# Altium PCB PCB_SAMARUC_7.PcbDoc (part 1 of 3)
Units mil, origin at the board's own origin, x right, y up, seen from the top; angles counter-clockwise.
Board outline 3000 x 2475 mil, 6 copper layers (Top (S1), GND1, PWR, S2, GND2, Bottom (S3)), stack 62.312 mil thick; 203 components, 120 nets, 721 pads, 351 vias.
Unrouted connection lines stored in the file: 139.
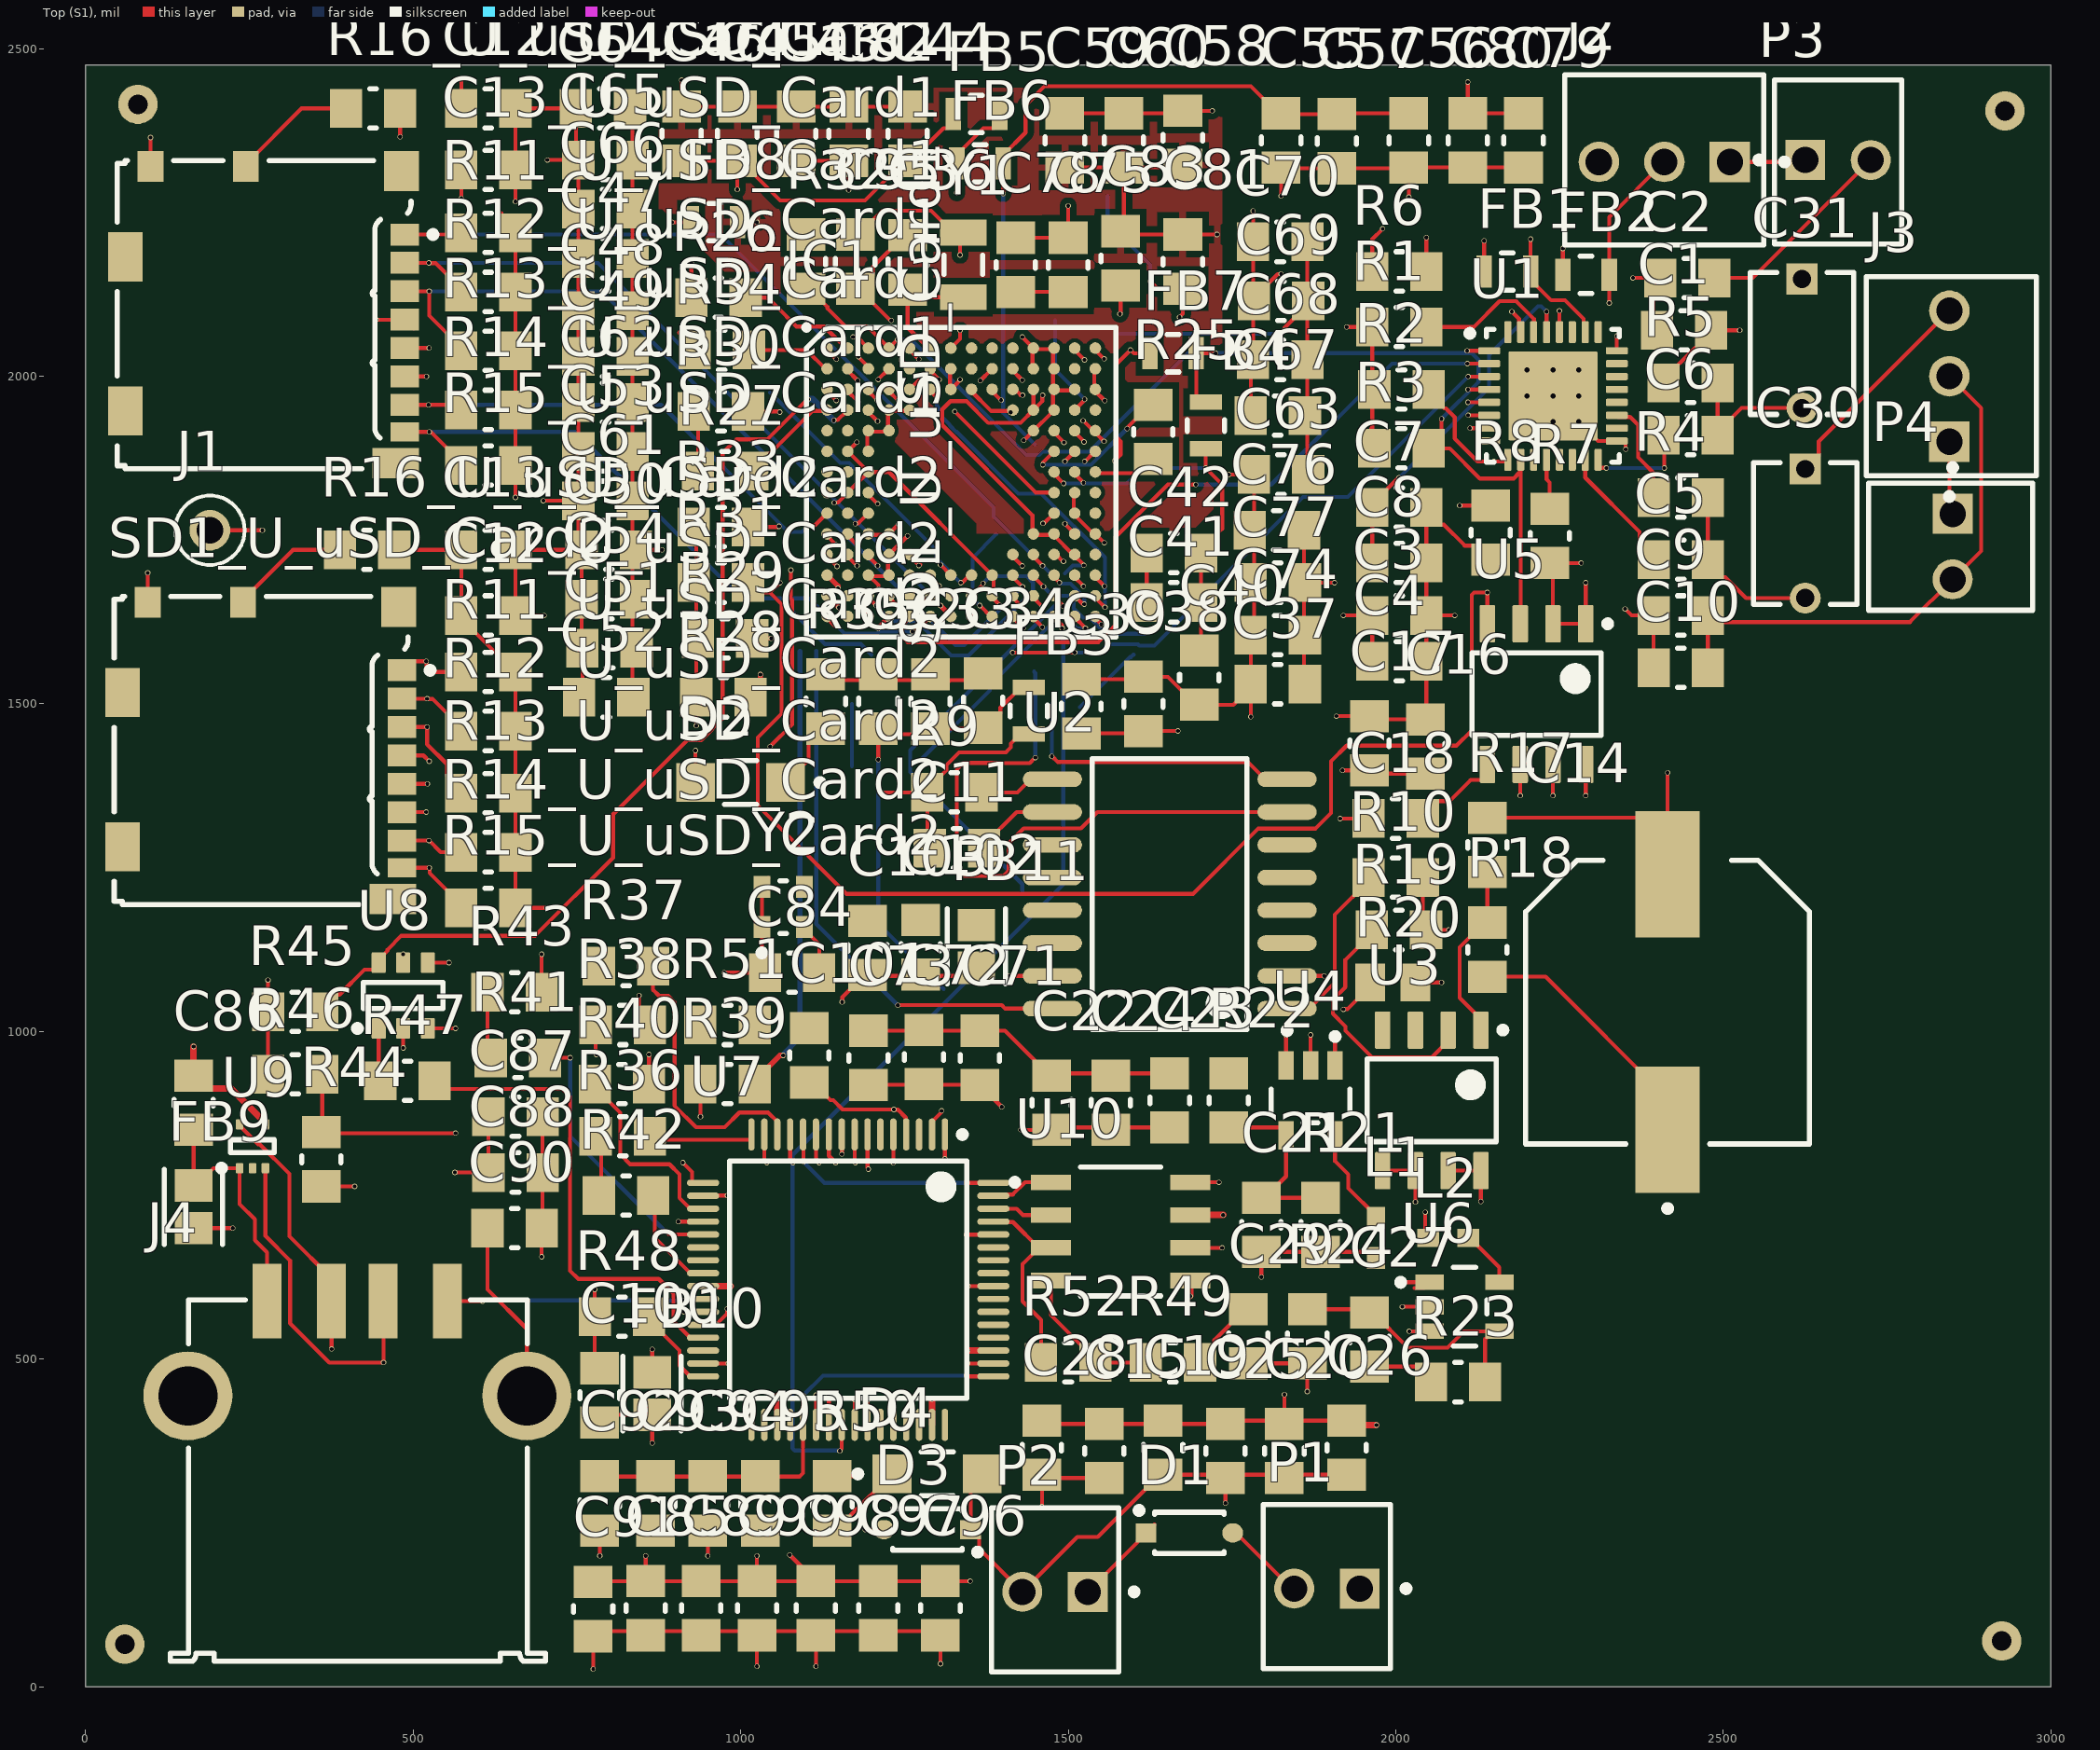
[diagram p0: Top (S1) view]
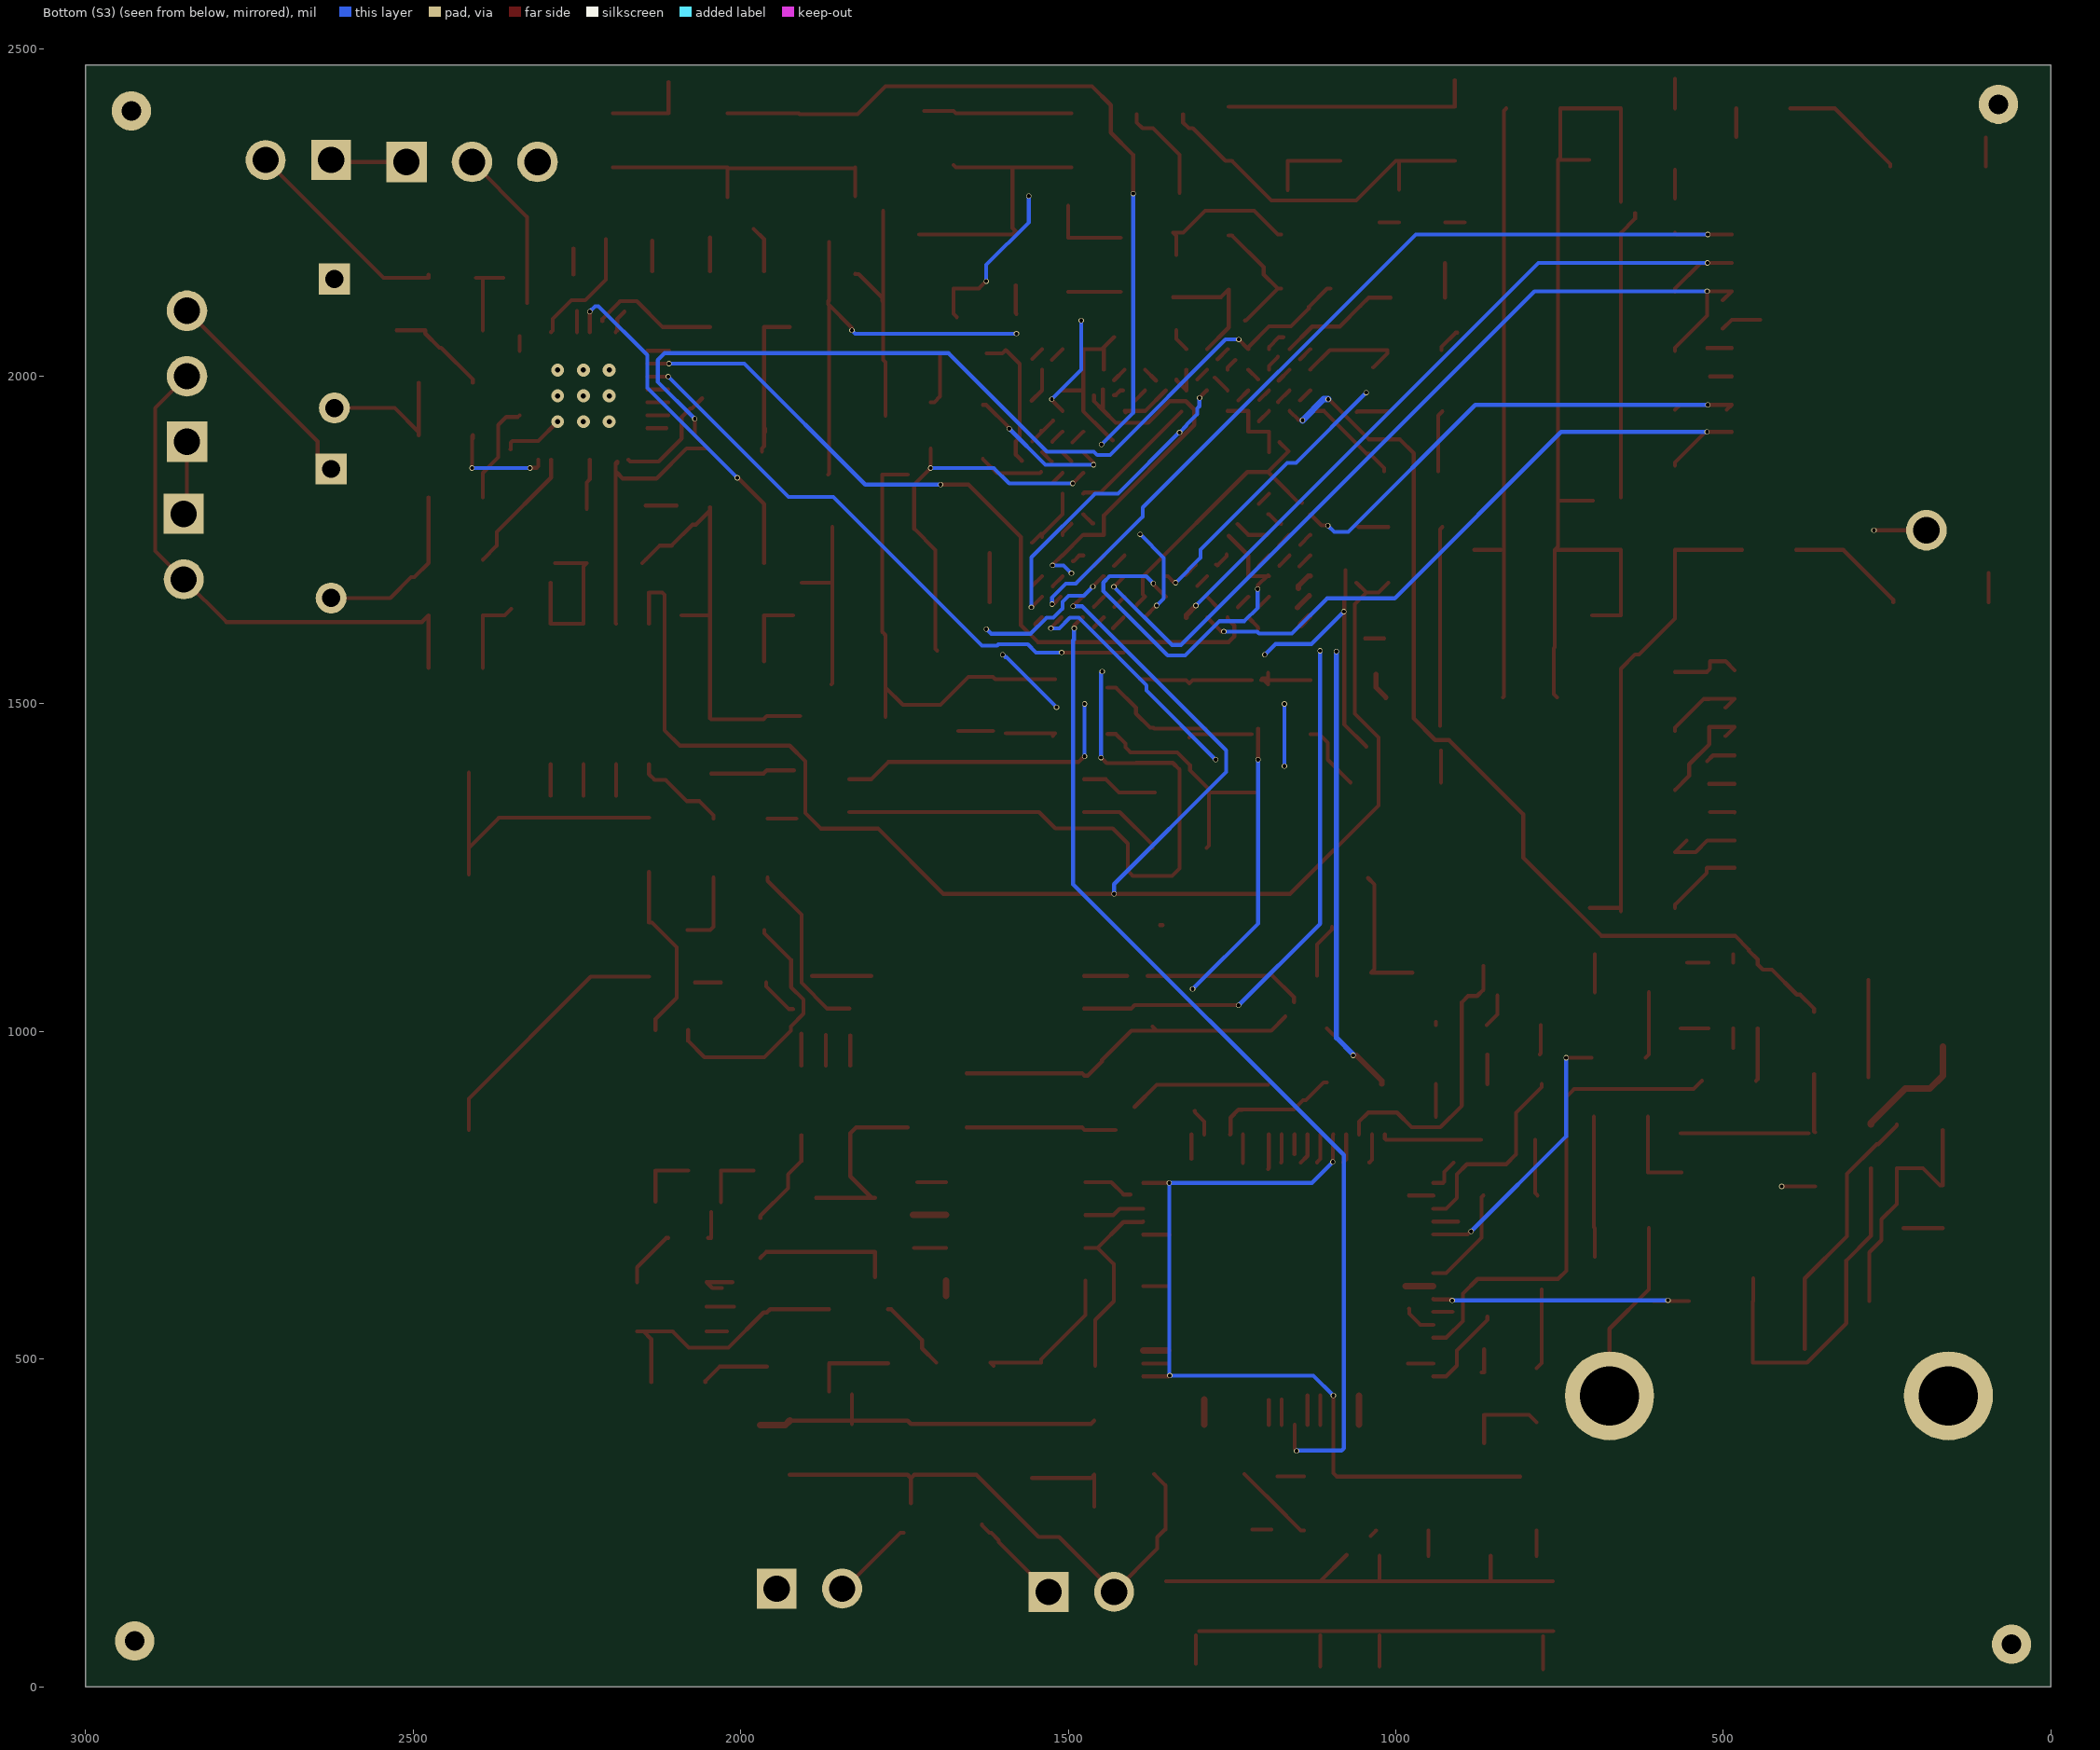
[diagram p1: Bottom (S3) view, seen from below]
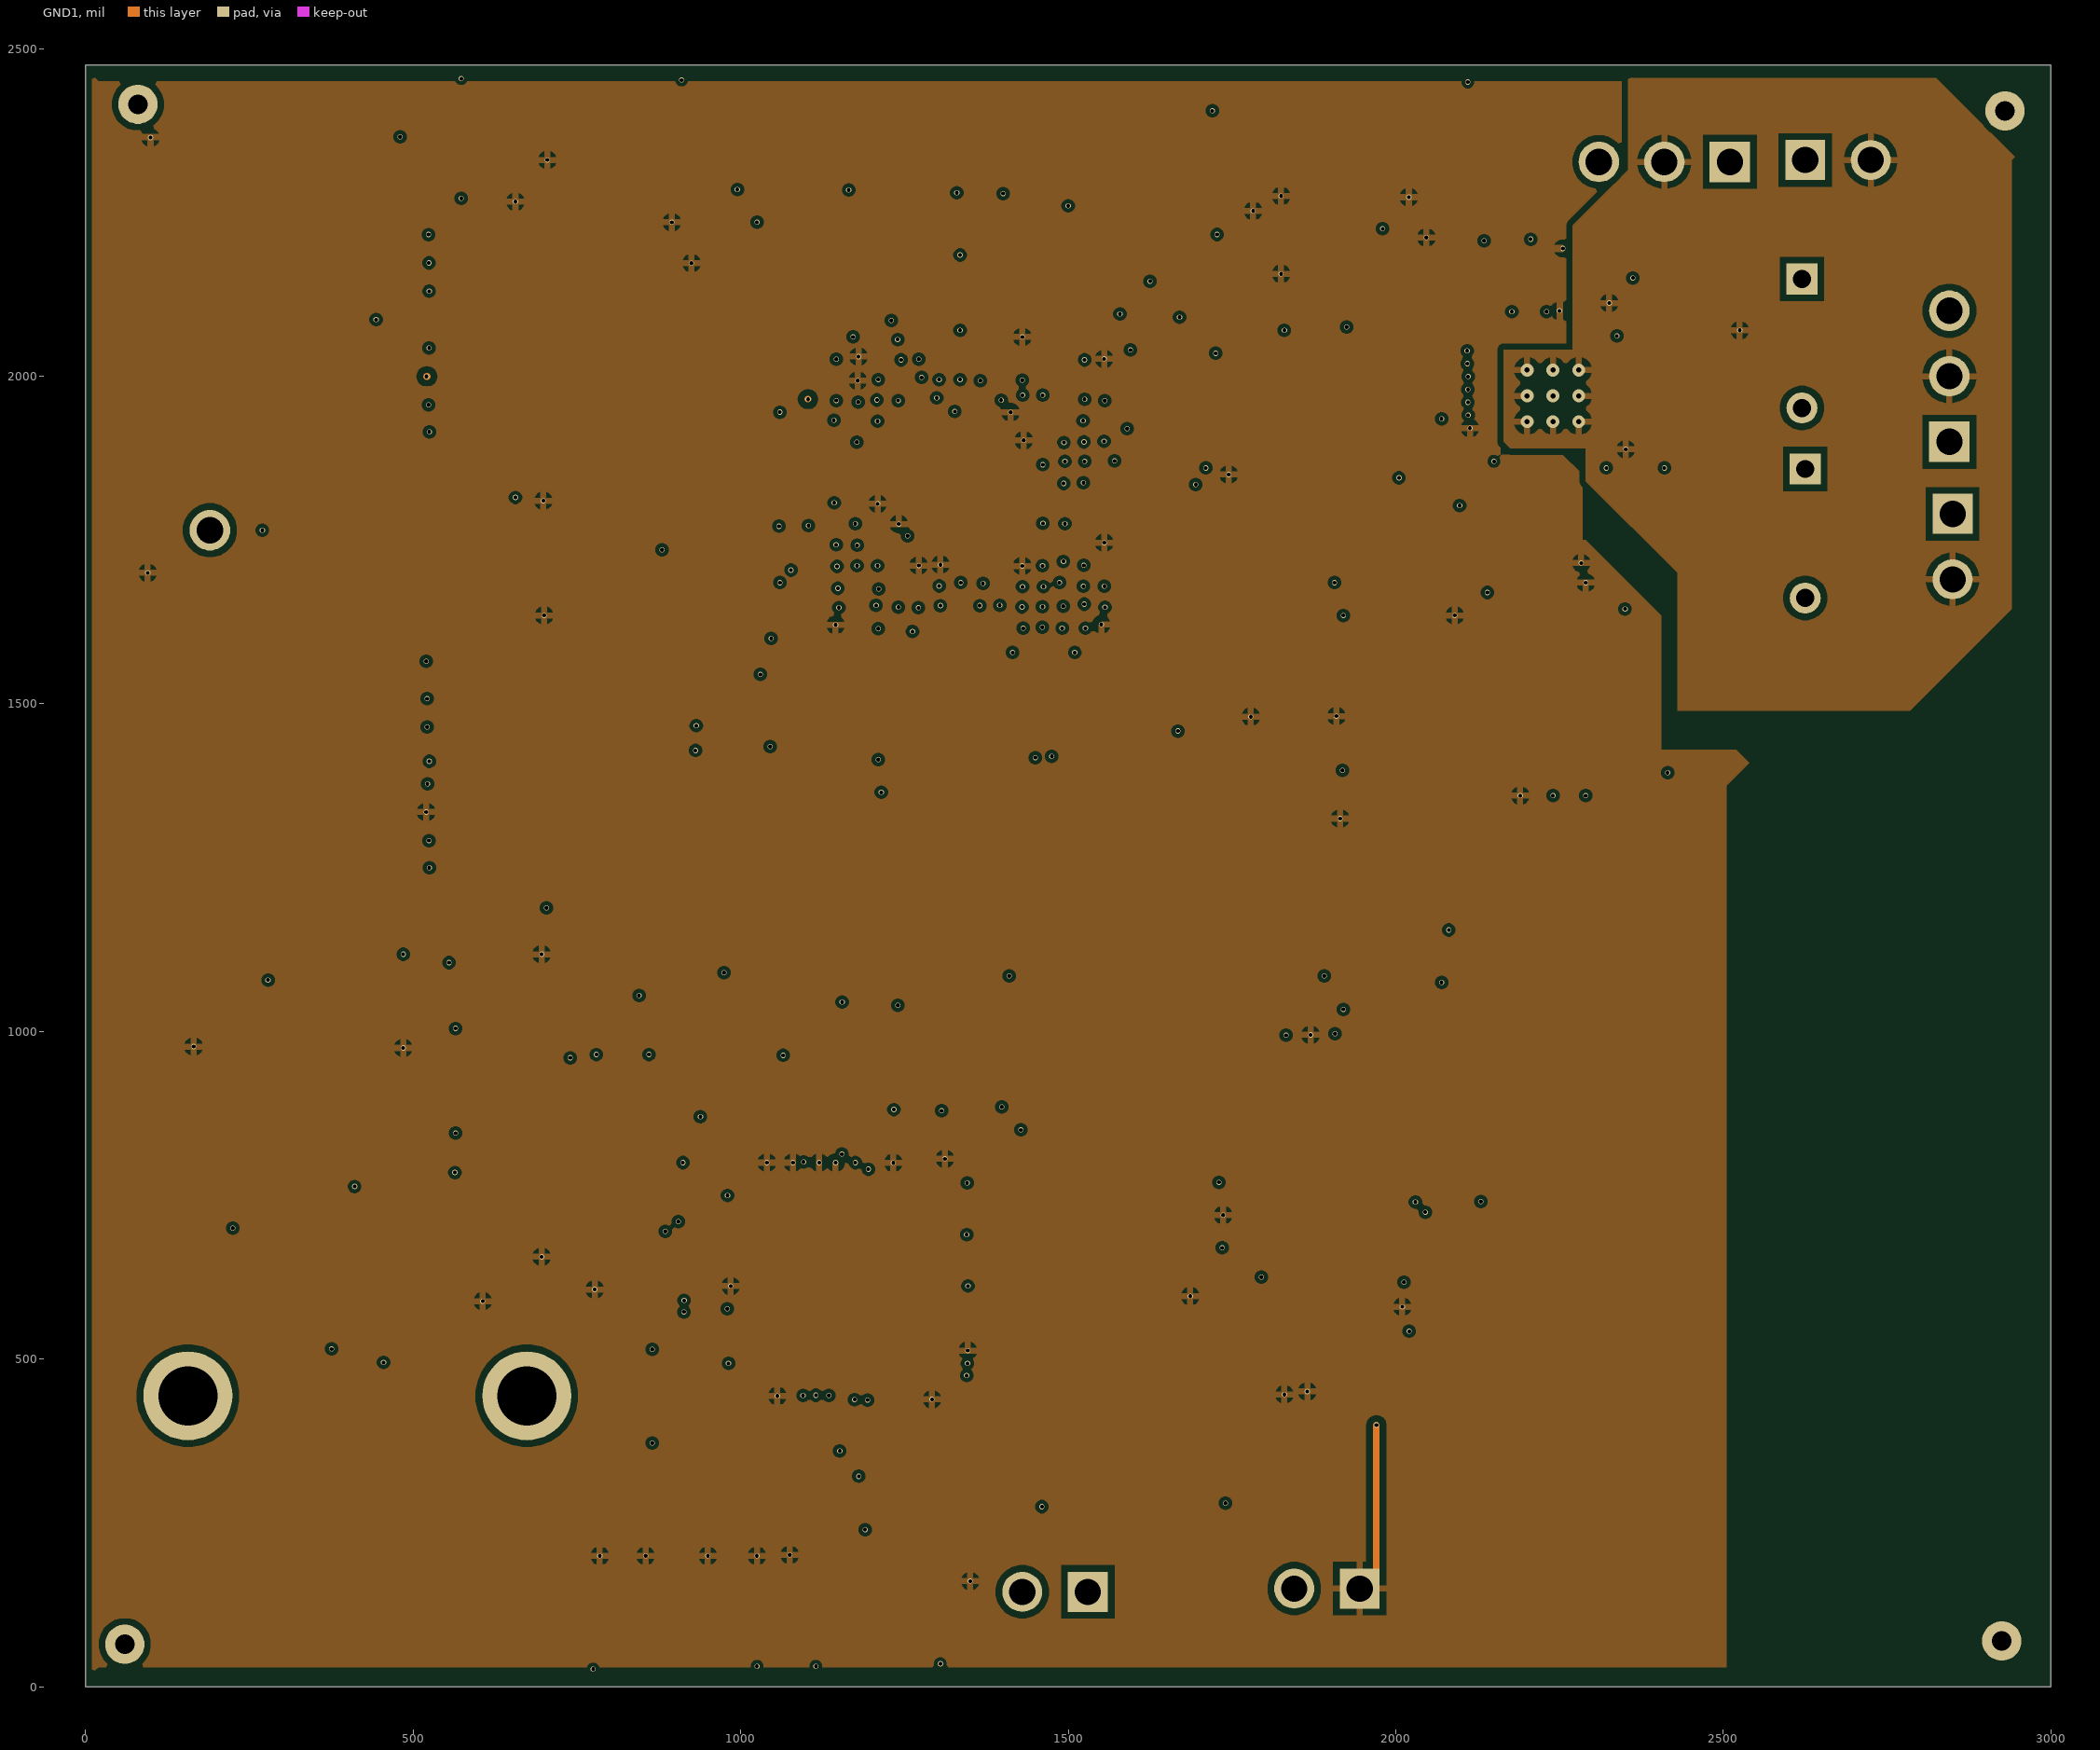
[diagram p2: GND1]